# Altium PCB Goldstrike1_Rev01 2014 06 02.PcbDoc (part 1 of 5)
Units mm, origin at the board's own origin, x right, y up, seen from the top; angles counter-clockwise.
Board outline 110 x 255.5 mm, 4 copper layers (L1, L2, L3, L4), stack 1.577 mm thick; 676 components, 193 nets, 4482 pads, 1968 vias.
Unrouted connection lines stored in the file: 1747.
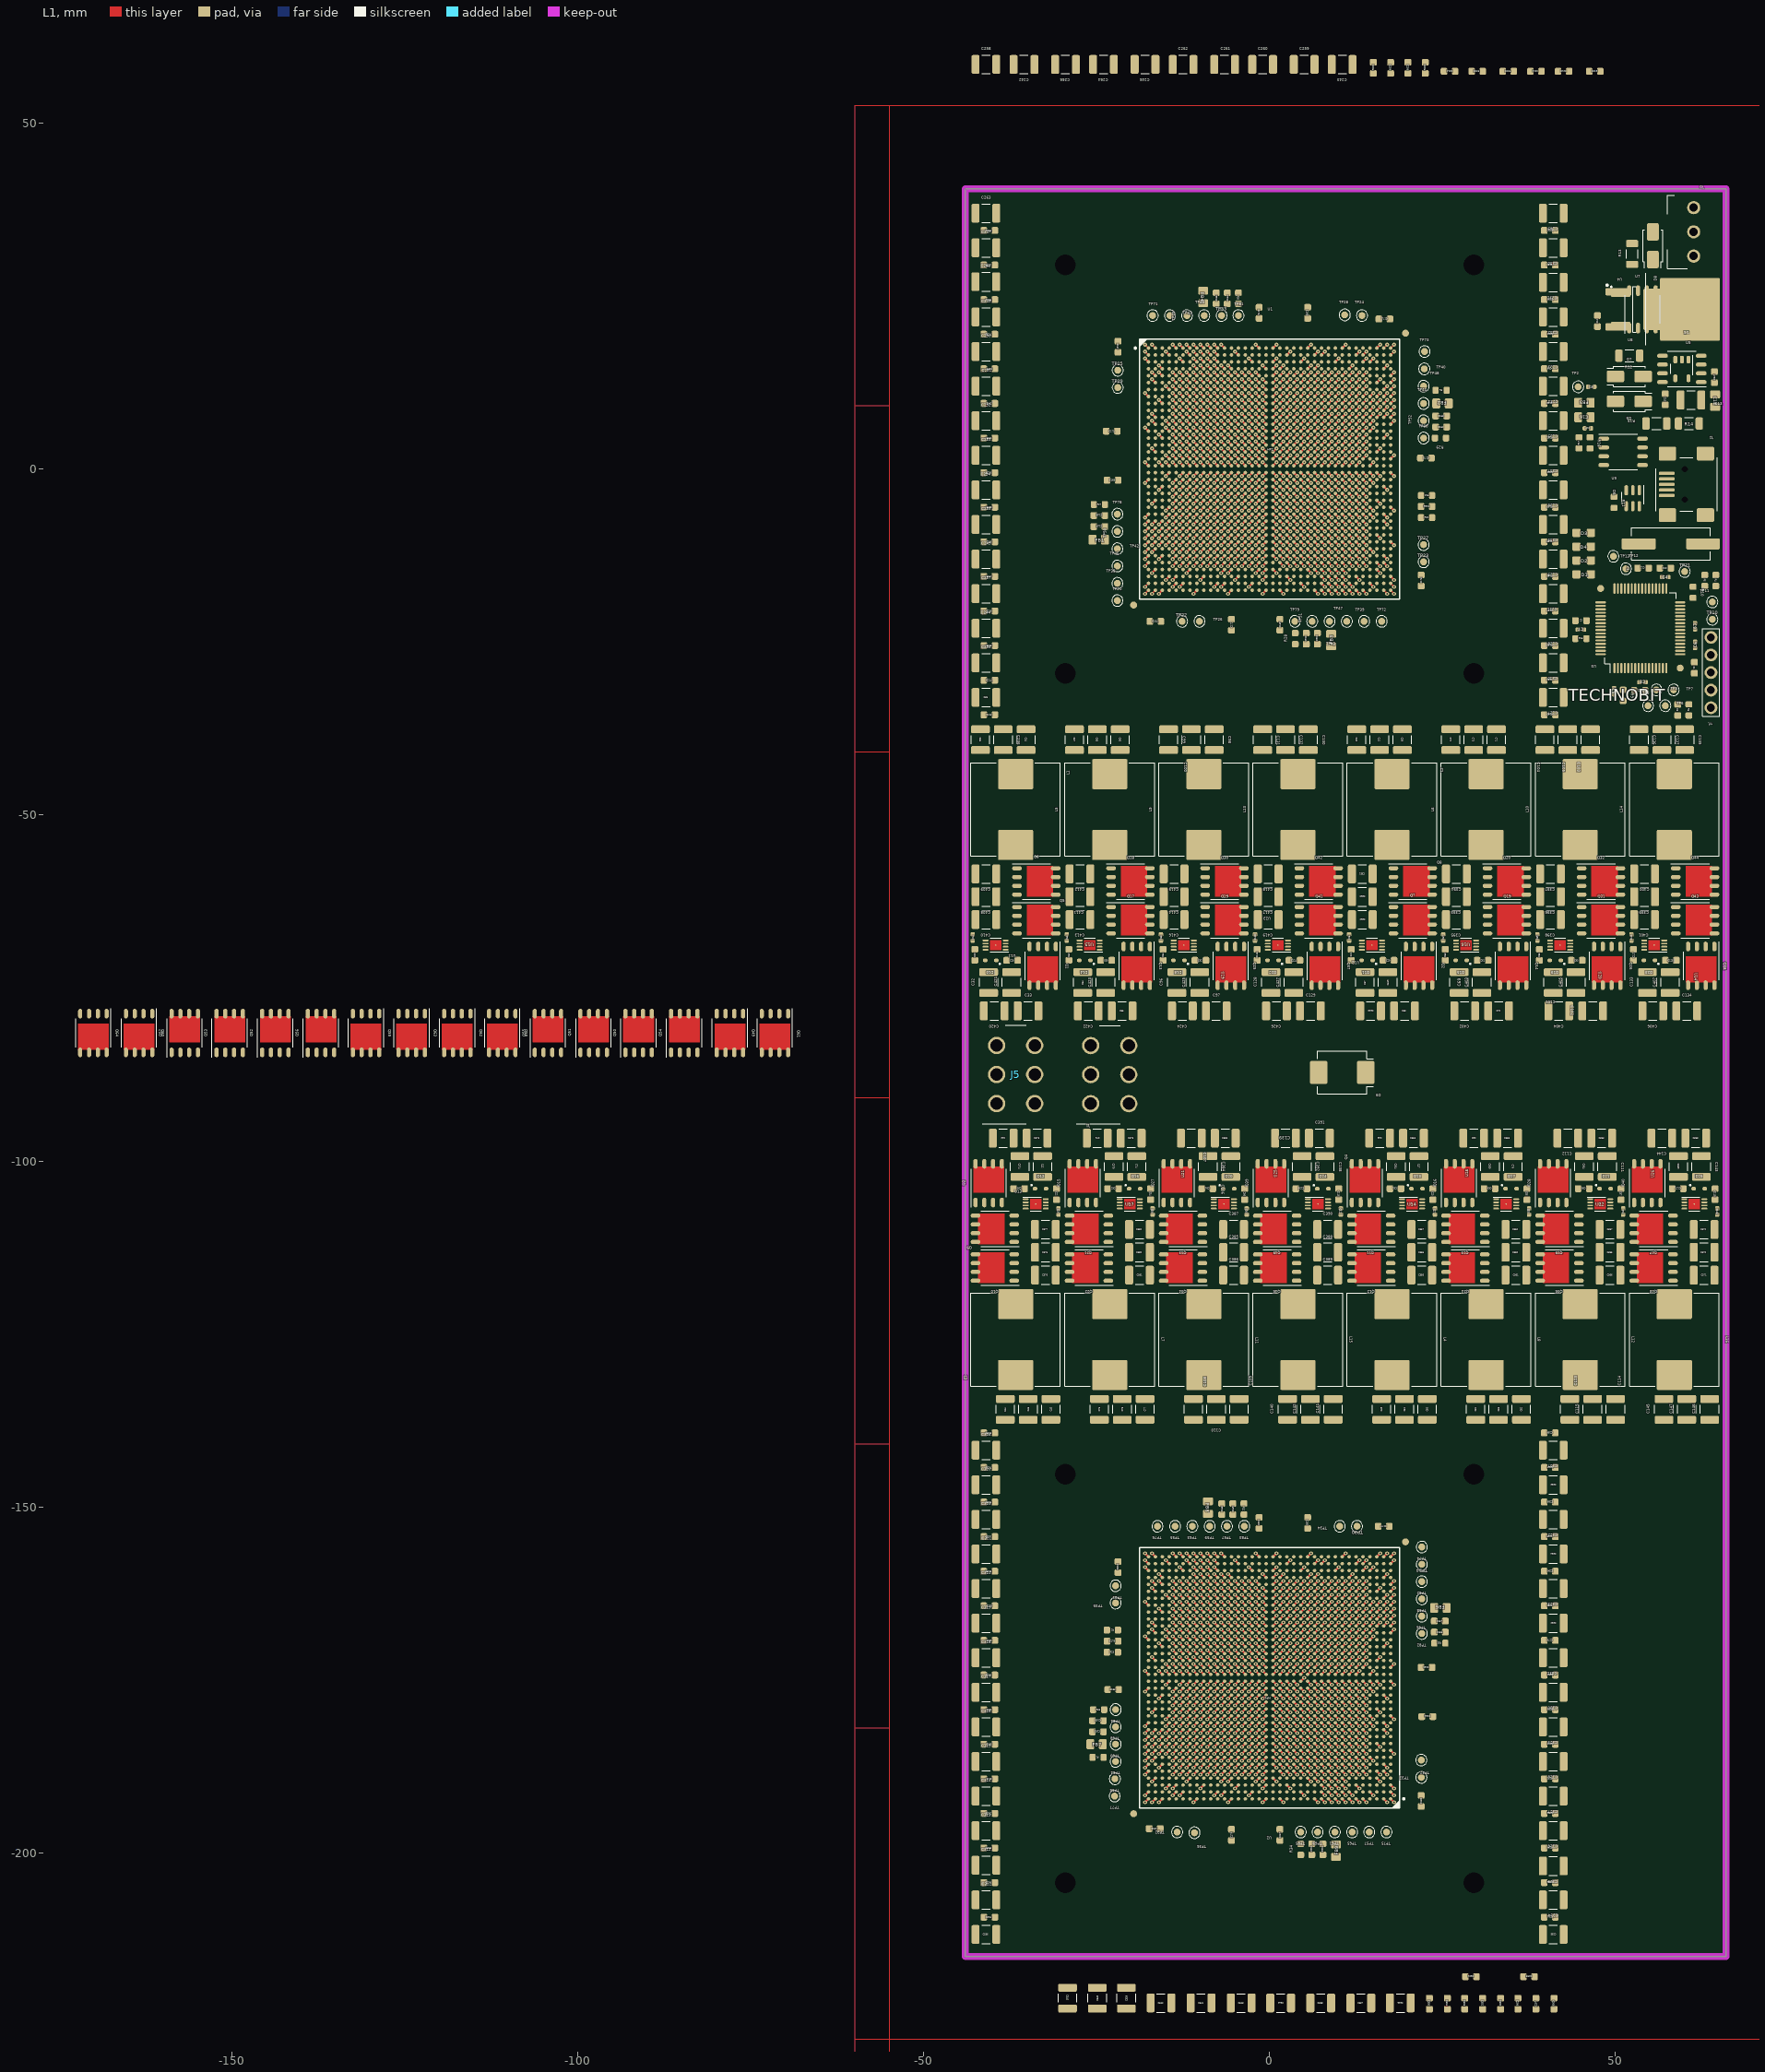
[diagram p0: L1 view]
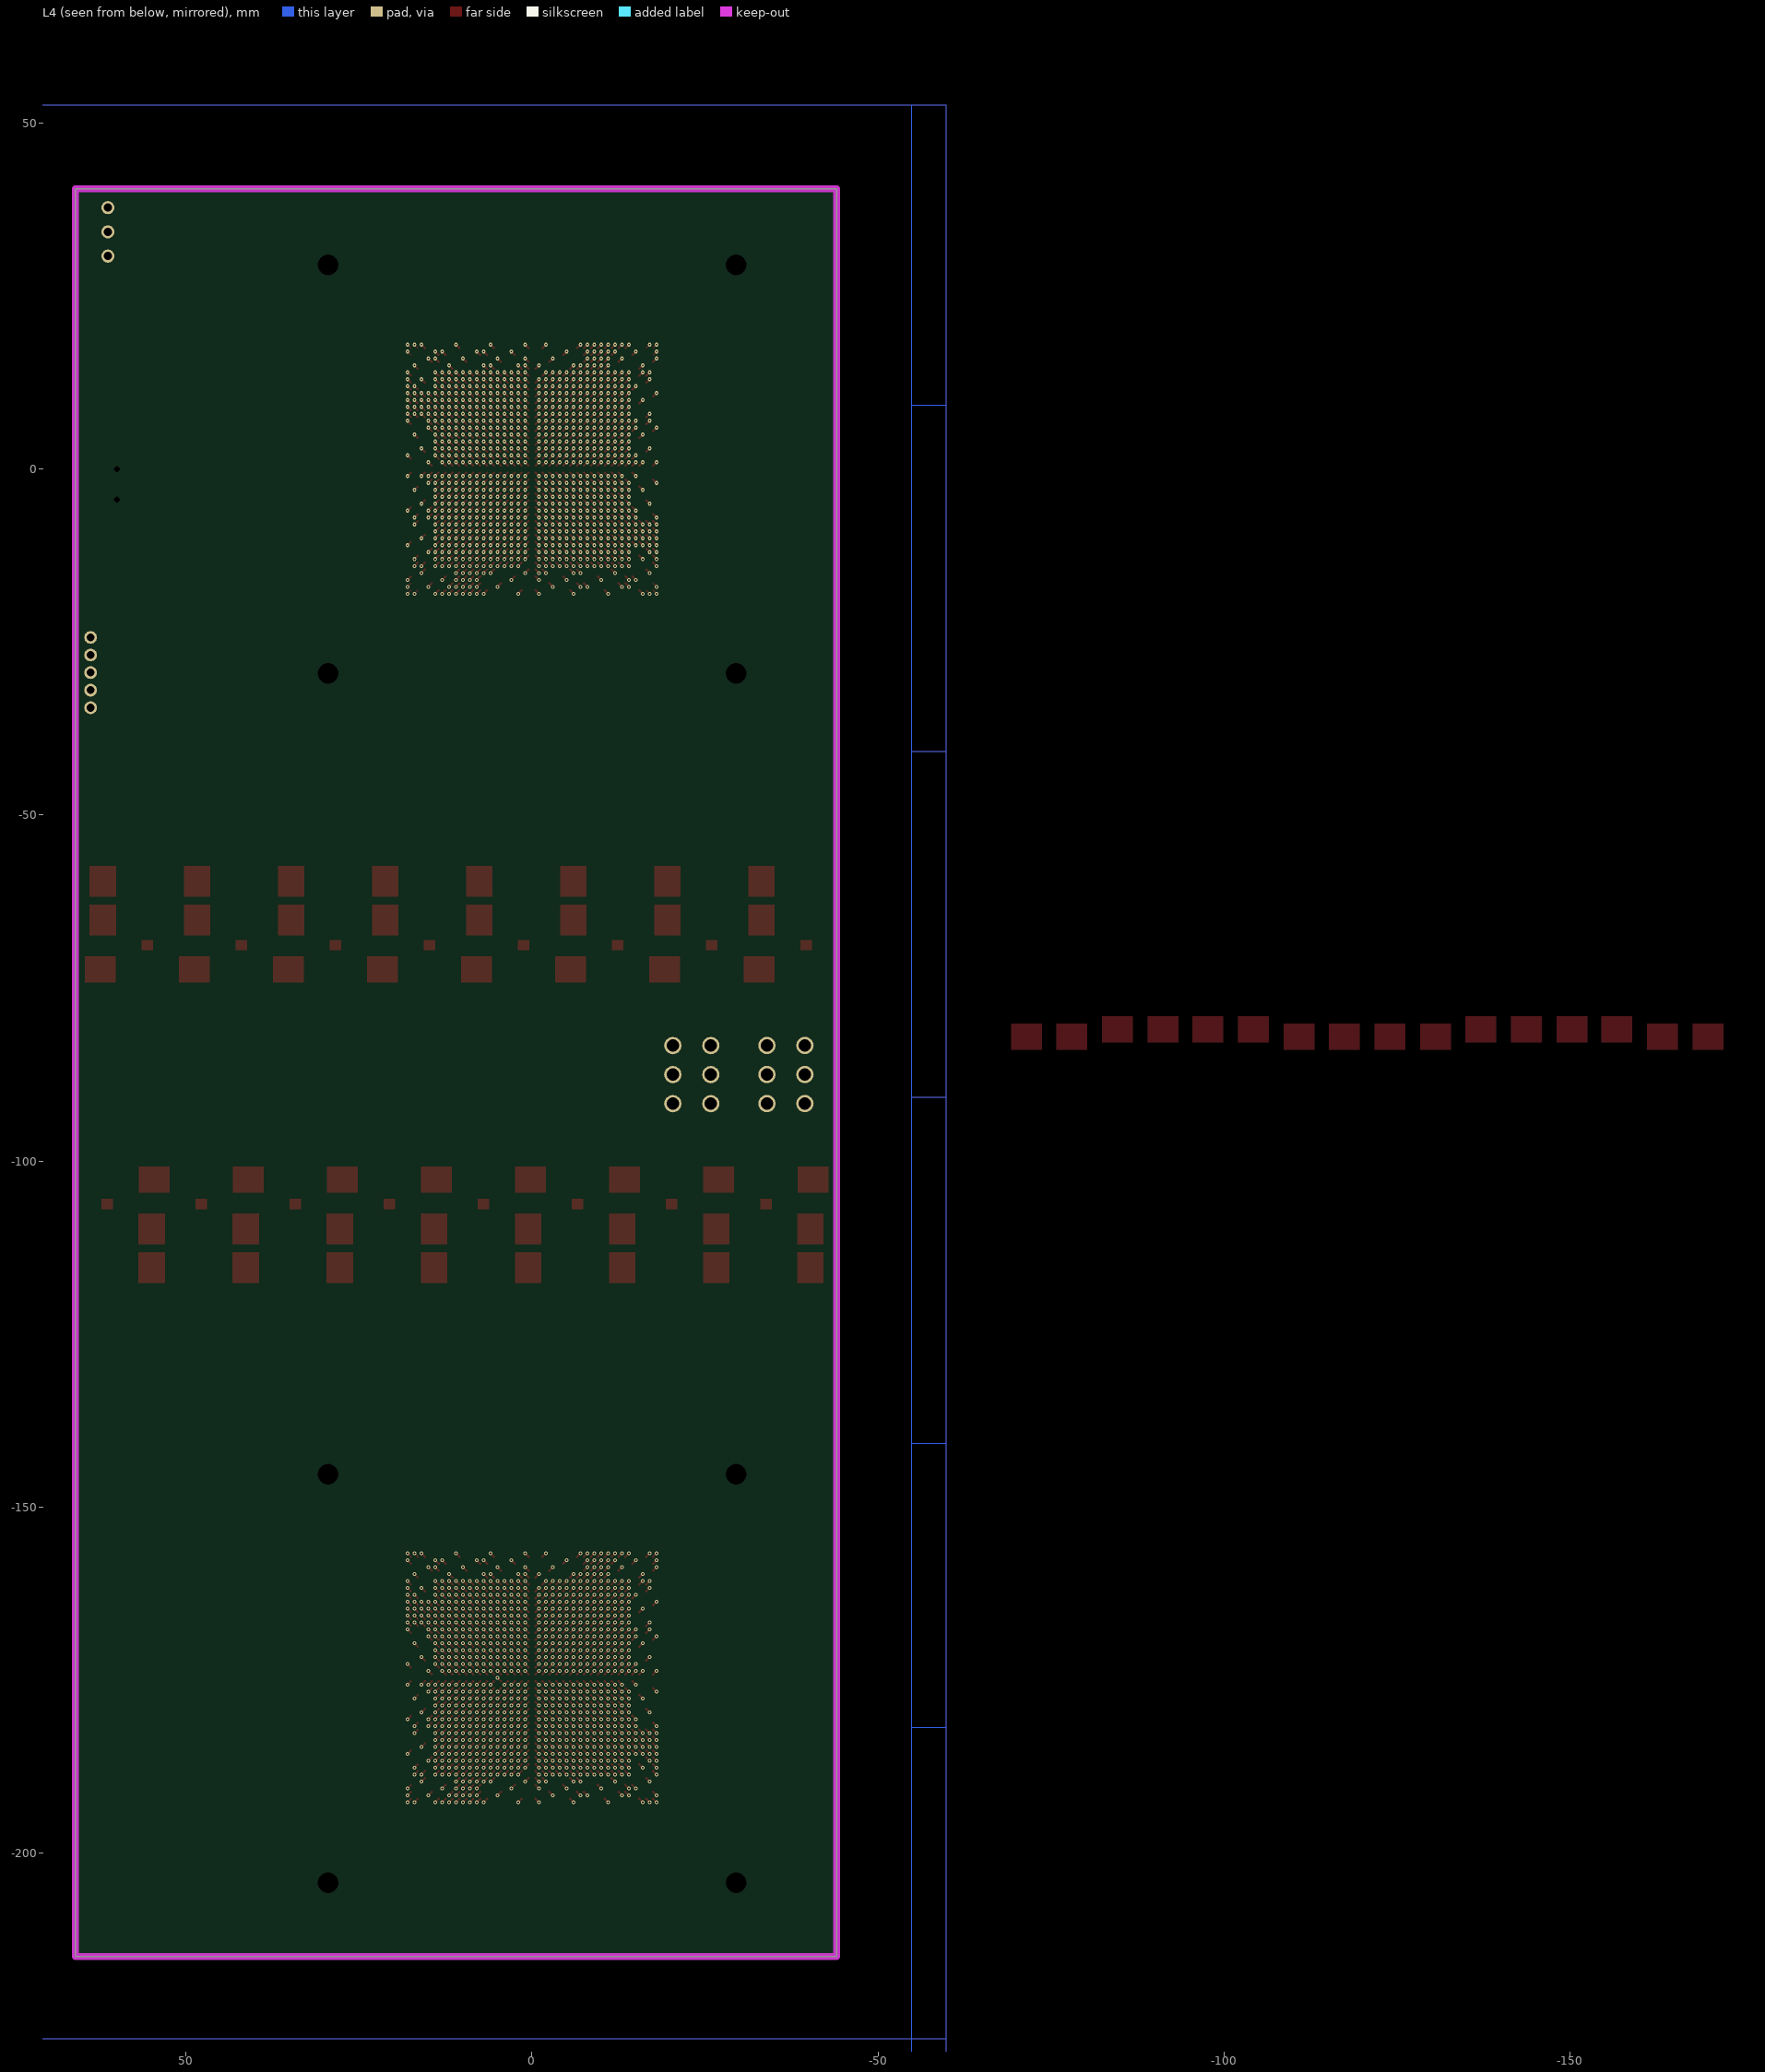
[diagram p1: L4 view, seen from below]
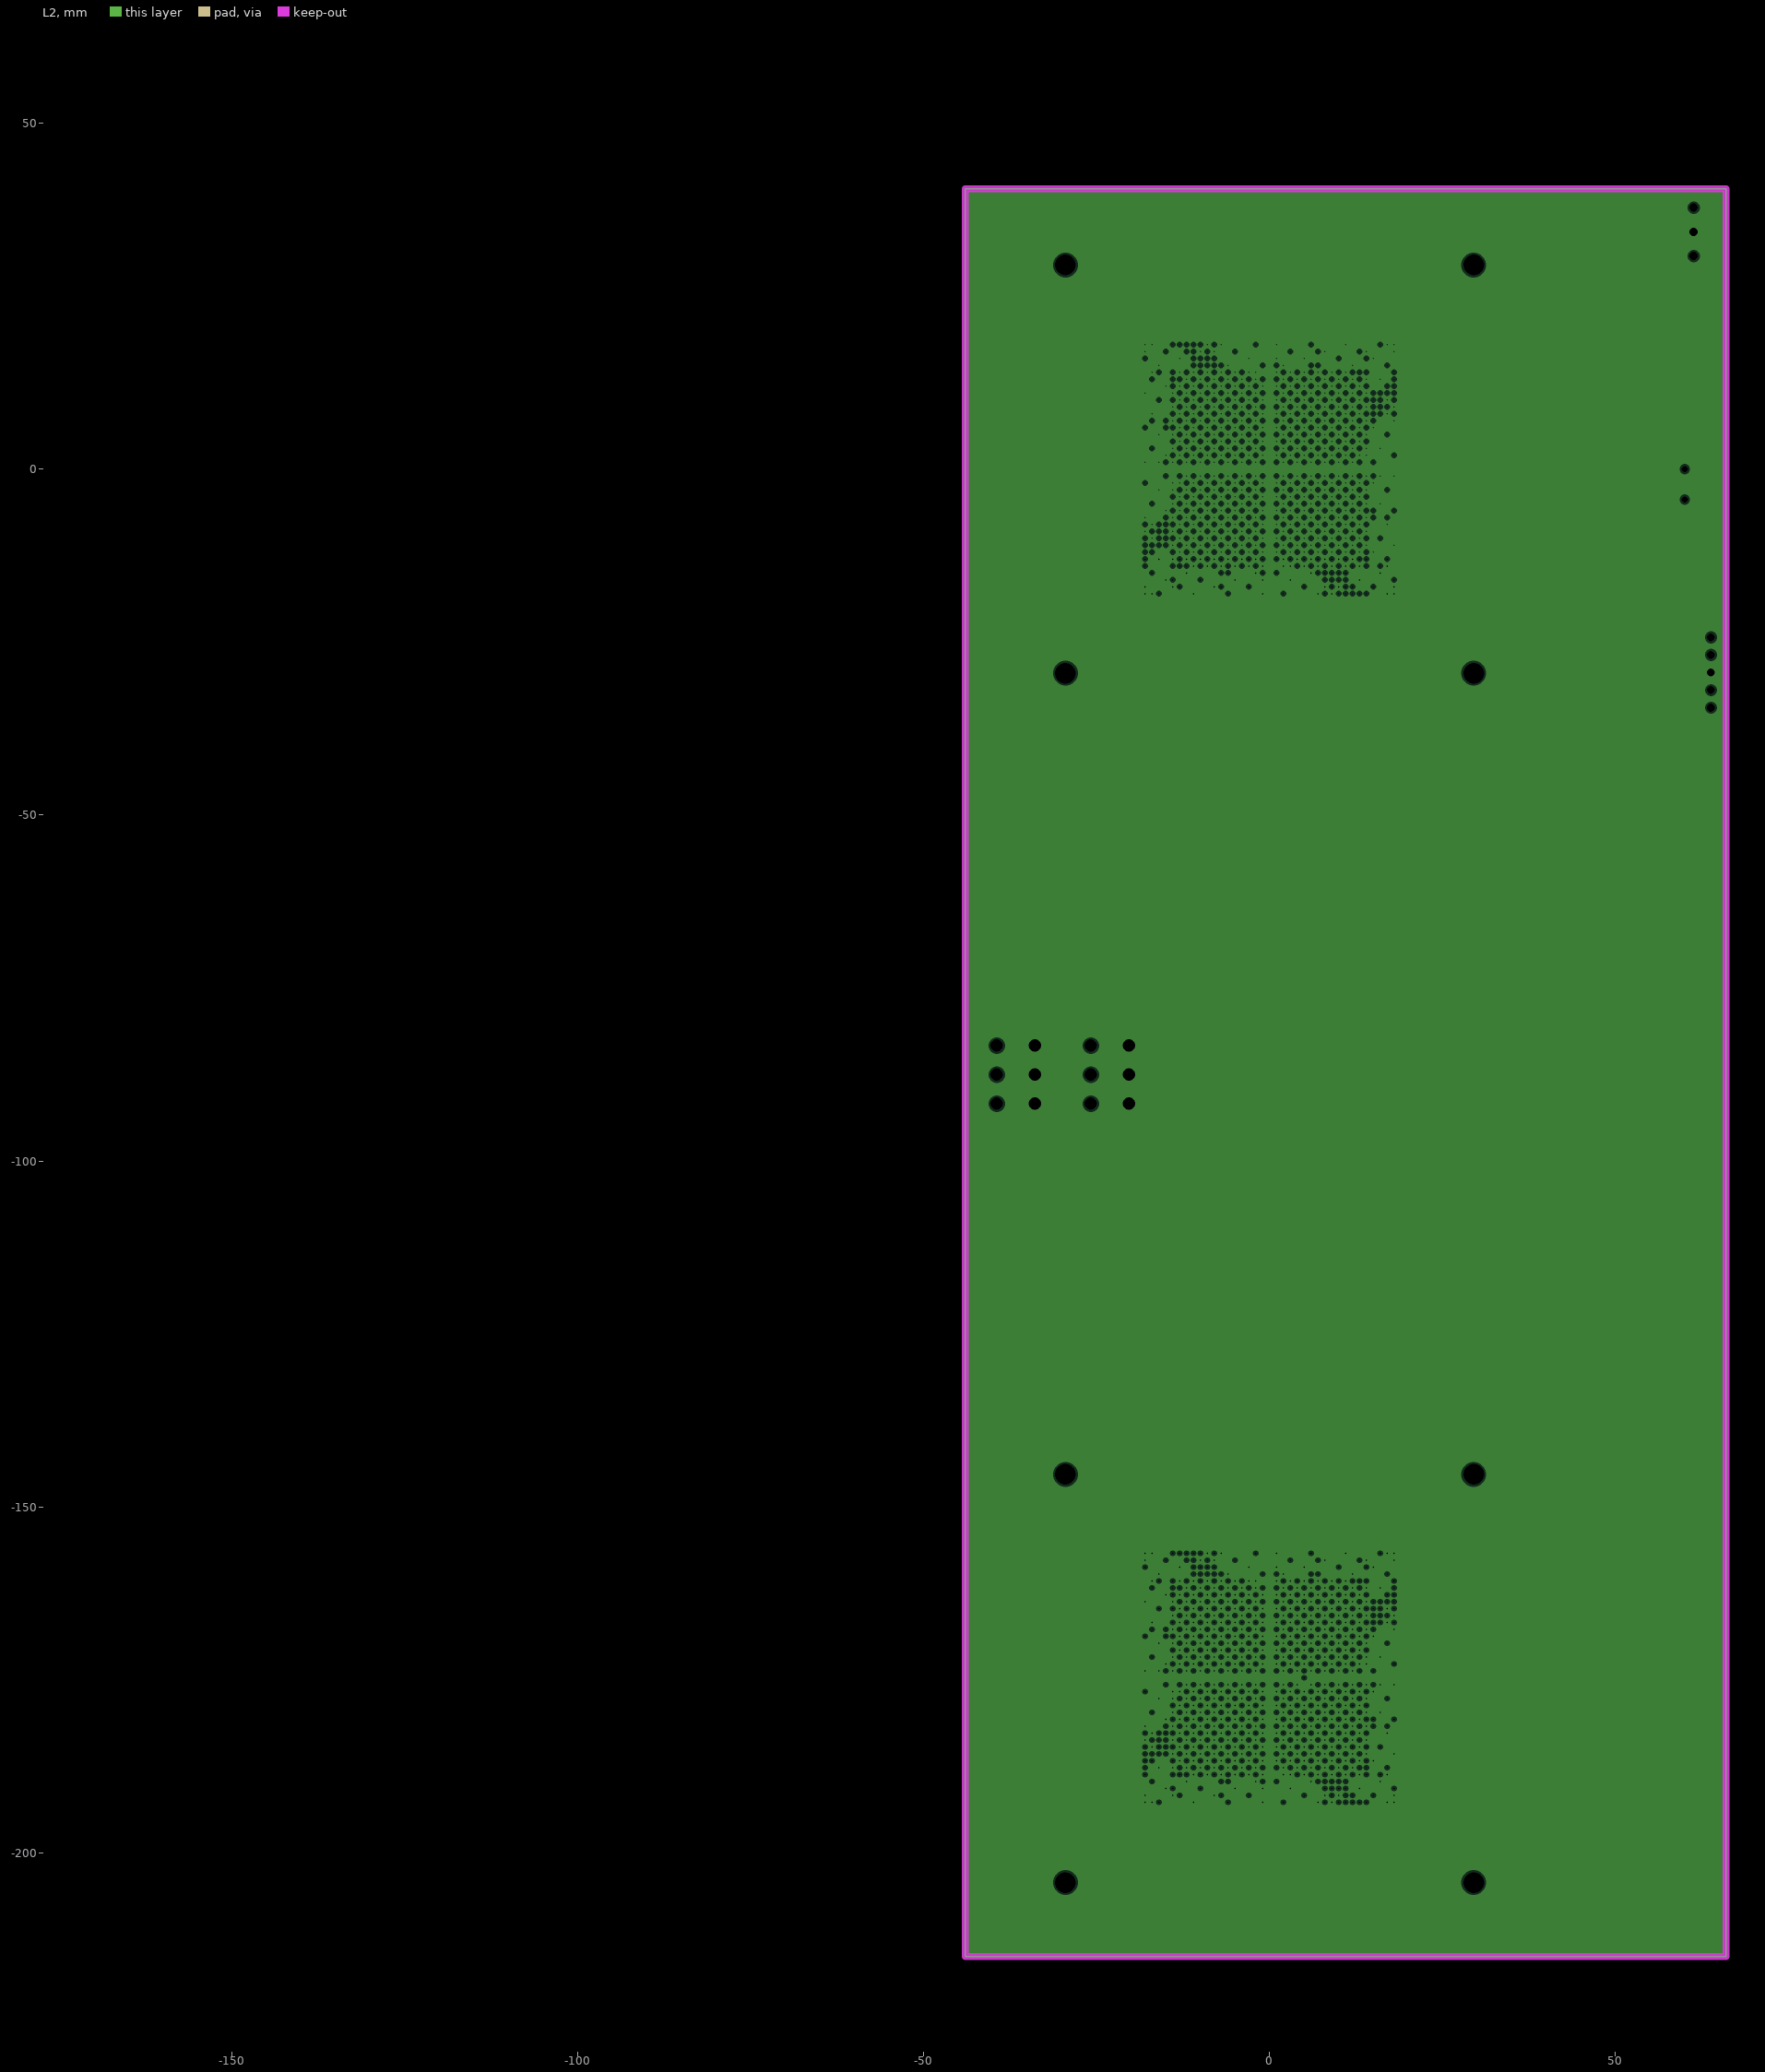
[diagram p2: L2, clearances drawn from the general rule]